# KiCad board panel.kicad_pcb (continued)
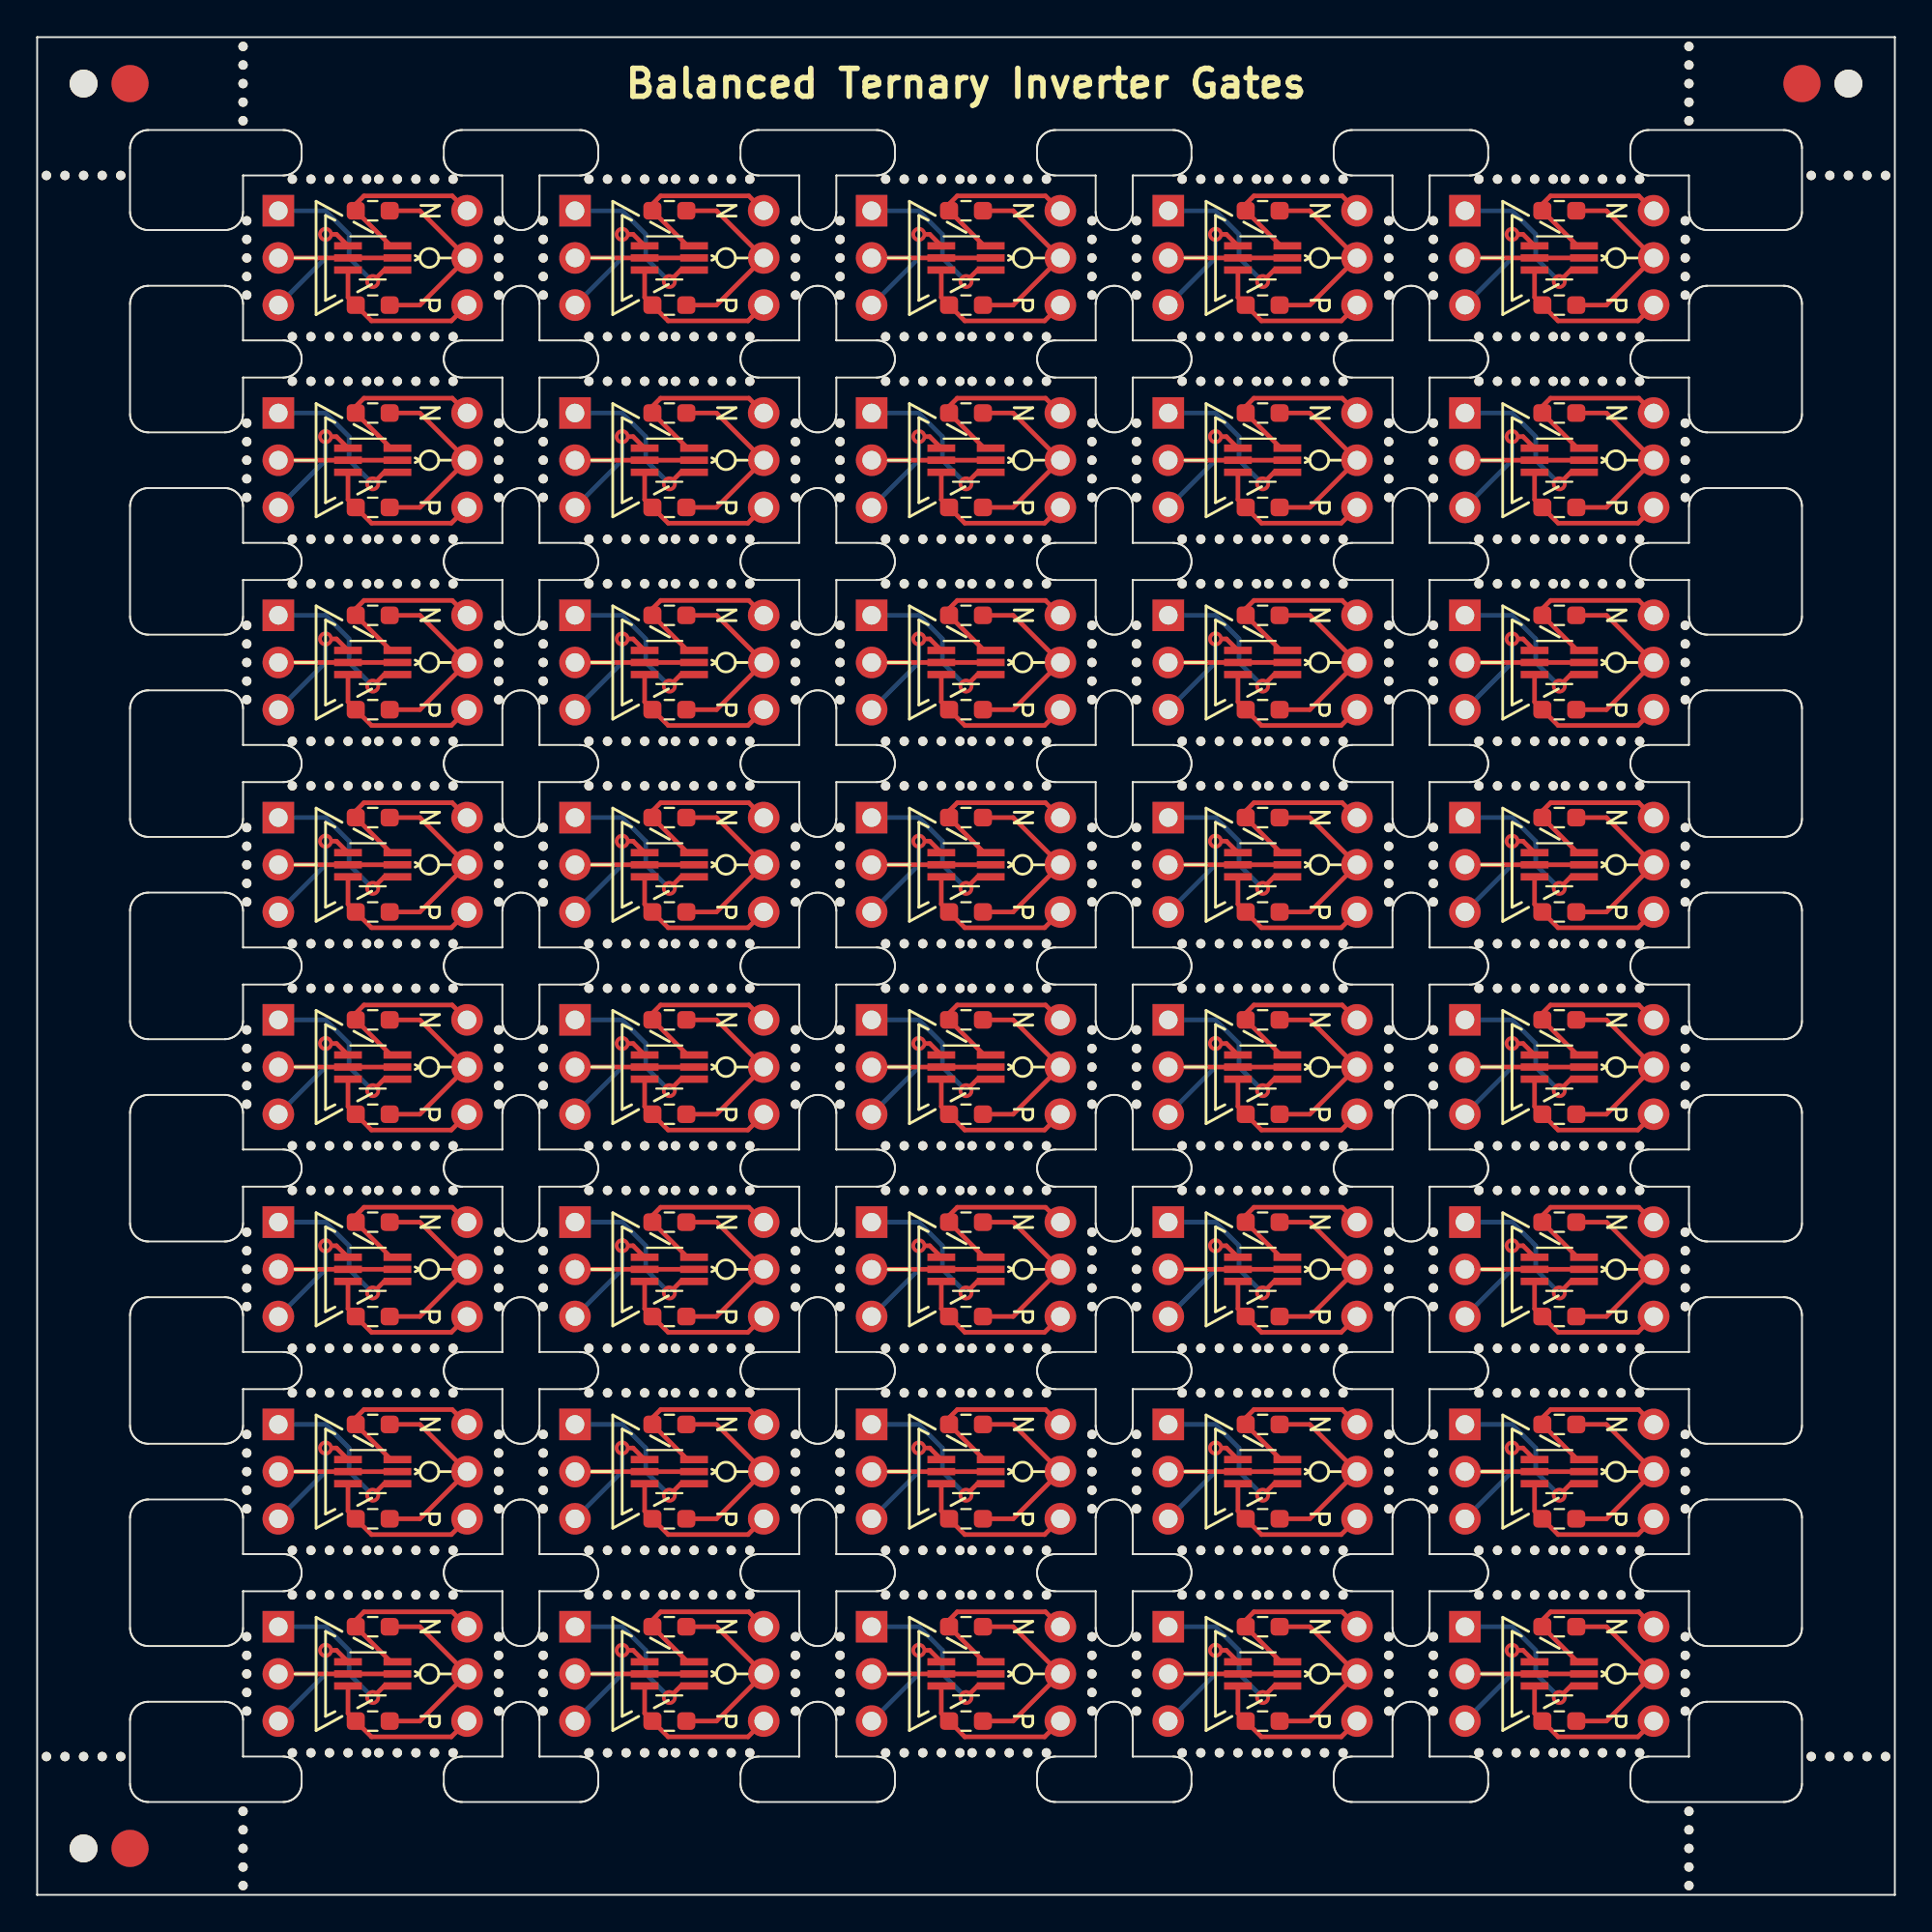
[diagram p0: board, top side]
## Placement (name value [footprint] x y rotation side) (continued)
REF**#50  -  [NPTH]  40.83 68.35 0 top
REF**#51  -  [NPTH]  35.37 83.89 0 top
REF**#52  -  [NPTH]  37.37 81.49 0 top
REF**#53  -  [NPTH]  56.78 23.79 0 top
REF**#54  -  [NPTH]  31.7 37.93 0 top
REF**#55  -  [NPTH]  16.74 18.55 0 top
REF**#56  -  [NPTH]  18.39 16.15 0 top
REF**#57  -  [NPTH]  24.84 44.57 0 top
REF**#58  -  [NPTH]  68.31 70.59 0 top
REF**#59  -  [NPTH]  53.33 37.93 0 top
REF**#60  -  [NPTH]  48.68 29.43 0 top
REF**#61  -  [NPTH]  20.39 62.11 0 top
REF**#62  -  [NPTH]  40.83 78.24 0 top
REF**#63  -  [NPTH]  18.39 37.93 0 top
REF**#64  -  [NPTH]  48.68 70.59 0 top
REF**#65  -  [NPTH]  24.84 35.68 0 top
REF**#66  -  [NPTH]  14.74 70.59 0 top
REF**#67  -  [NPTH]  13.74 18.55 0 top
REF**#68  -  [NPTH]  40.83 45.57 0 top
REF**#69  -  [NPTH]  17.74 59.71 0 top
REF**#70  -  [NPTH]  72.77 13.9 0 top
REF**#71  -  [NPTH]  27.24 66.35 0 top
REF**#72  -  [NPTH]  86.27 83.89 0 top
REF**#73  -  [NPTH]  24.84 9.9 0 top
REF**#74  -  [NPTH]  11.29 32.68 0 top
REF**#75  -  [NPTH]  88.72 55.46 0 top
REF**#76  -  [NPTH]  82.27 72.99 0 top
REF**#77  -  [NPTH]  24.84 75.24 0 top
REF**#78  -  [NPTH]  75.17 67.35 0 top
REF**#79  -  [NPTH]  69.31 37.93 0 top
REF**#80  -  [NPTH]  88.72 13.9 0 top
REF**#81  -  [NPTH]  40.83 75.24 0 top
REF**#82  -  [NPTH]  83.27 18.55 0 top
REF**#83  -  [NPTH]  2.5 7.45 0 top
REF**#84  -  [NPTH]  84.27 18.55 0 top
REF**#85  -  [NPTH]  43.23 57.46 0 top
REF**#86  -  [NPTH]  88.72 34.68 0 top
REF**#87  -  [NPTH]  15.74 83.89 0 top
REF**#88  -  [NPTH]  75.17 56.46 0 top
REF**#89  -  [NPTH]  22.39 29.43 0 top
REF**#90  -  [NPTH]  32.7 29.43 0 top
REF**#91  -  [NPTH]  78.62 83.89 0 top
REF**#92  -  [NPTH]  88.72 12.9 0 top
REF**#93  -  [NPTH]  3.5 92.57 0 top
REF**#94  -  [NPTH]  50.33 48.81 0 top
REF**#95  -  [NPTH]  36.37 27.03 0 top
REF**#96  -  [NPTH]  50.33 16.15 0 top
REF**#97  -  [NPTH]  43.23 55.46 0 top
REF**#98  -  [NPTH]  32.7 48.81 0 top
REF**#99  -  [NPTH]  48.68 37.93 0 top
REF**#100  -  [NPTH]  14.74 16.15 0 top
REF**#101  -  [NPTH]  24.84 54.46 0 top
REF**#102  -  [NPTH]  51.33 18.55 0 top
REF**#103  -  [NPTH]  86.27 59.71 0 top
REF**#104  -  [NPTH]  13.74 16.15 0 top
REF**#105  -  [NPTH]  27.24 57.46 0 top
REF**#106  -  [NPTH]  68.31 29.43 0 top
REF**#107  -  [NPTH]  43.23 54.46 0 top
REF**#108  -  [NPTH]  64.64 70.59 0 top
REF**#109  -  [NPTH]  15.74 29.43 0 top
REF**#110  -  [NPTH]  27.24 87.13 0 top
REF**#111  -  [NPTH]  11.29 20.79 0 top
REF**#112  -  [NPTH]  21.39 48.81 0 top
REF**#113  -  [NPTH]  81.62 27.03 0 top
REF**#114  -  [NPTH]  81.62 18.55 0 top
REF**#115  -  [NPTH]  24.84 43.57 0 top
REF**#116  -  [NPTH]  75.17 42.57 0 top
REF**#117  -  [NPTH]  11.29 42.57 0 top
REF**#118  -  [NPTH]  14.74 83.89 0 top
REF**#119  -  [NPTH]  56.78 68.35 0 top
REF**#120  -  [NPTH]  59.19 22.79 0 top
REF**#121  -  [NPTH]  61.64 37.93 0 top
REF**#122  -  [NPTH]  85.27 81.49 0 top
REF**#123  -  [NPTH]  33.7 7.65 0 top
REF**#124  -  [NPTH]  54.33 29.43 0 top
REF**#125  -  [NPTH]  27.24 42.57 0 top
REF**#126  -  [NPTH]  56.78 43.57 0 top
REF**#127  -  [NPTH]  64.64 40.33 0 top
REF**#128  -  [NPTH]  66.31 7.65 0 top
REF**#129  -  [NPTH]  48.68 27.03 0 top
REF**#130  -  [NPTH]  56.78 67.35 0 top
REF**#131  -  [NPTH]  61.64 16.15 0 top
REF**#132  -  [NPTH]  40.83 65.35 0 top
REF**#133  -  [NPTH]  38.37 72.99 0 top
REF**#134  -  [NPTH]  59.19 87.13 0 top
REF**#135  -  [NPTH]  52.33 83.89 0 top
REF**#136  -  [NPTH]  24.84 34.68 0 top
REF**#137  -  [NPTH]  72.77 34.68 0 top
REF**#138  -  [NPTH]  0.5 7.45 0 top
REF**#139  -  [NPTH]  72.77 76.24 0 top
REF**#140  -  [NPTH]  46.68 62.11 0 top
REF**#141  -  [NPTH]  24.84 77.24 0 top
REF**#142  -  [NPTH]  56.78 12.9 0 top
REF**#143  -  [NPTH]  11.29 79.24 0 top
REF**#144  -  [NPTH]  68.31 83.89 0 top
REF**#145  -  [NPTH]  56.78 87.13 0 top
REF**#146  -  [NPTH]  56.78 77.24 0 top
REF**#147  -  [NPTH]  63.64 62.11 0 top
REF**#148  -  [NPTH]  84.27 37.93 0 top
REF**#149  -  [NPTH]  13.74 51.21 0 top
REF**#150  -  [NPTH]  31.7 29.43 0 top
REF**#151  -  [NPTH]  47.68 62.11 0 top
REF**#152  -  [NPTH]  51.33 83.89 0 top
REF**#153  -  [NPTH]  59.19 10.9 0 top
REF**#154  -  [NPTH]  22.39 27.03 0 top
REF**#155  -  [NPTH]  20.39 83.89 0 top
REF**#156  -  [NPTH]  75.17 11.9 0 top
REF**#157  -  [NPTH]  64.64 59.71 0 top
REF**#158  -  [NPTH]  31.7 27.03 0 top
REF**#159  -  [NPTH]  11.29 90.13 0 top
REF**#160  -  [NPTH]  45.68 81.49 0 top
REF**#161  -  [NPTH]  22.39 7.65 0 top
REF**#162  -  [NPTH]  22.39 16.15 0 top
REF**#163  -  [NPTH]  40.83 10.9 0 top
REF**#164  -  [NPTH]  79.62 29.43 0 top
REF**#165  -  [NPTH]  69.31 48.81 0 top
REF**#166  -  [NPTH]  48.68 40.33 0 top
REF**#167  -  [NPTH]  82.27 81.49 0 top
REF**#168  -  [NPTH]  43.23 90.13 0 top
REF**#169  -  [NPTH]  53.33 16.15 0 top
REF**#170  -  [NPTH]  75.17 31.68 0 top
REF**#171  -  [NPTH]  35.37 29.43 0 top
REF**#172  -  [NPTH]  56.78 78.24 0 top
REF**#173  -  [NPTH]  30.7 51.21 0 top
REF**#174  -  [NPTH]  69.31 70.59 0 top
REF**#175  -  [NPTH]  16.74 37.93 0 top
REF**#176  -  [NPTH]  24.84 79.24 0 top
REF**#177  -  [NPTH]  43.23 24.79 0 top
REF**#178  -  [NPTH]  72.77 35.68 0 top
REF**#179  -  [NPTH]  84.27 16.15 0 top
REF**#180  -  [NPTH]  29.7 62.11 0 top
REF**#181  -  [NPTH]  56.78 55.46 0 top
REF**#182  -  [NPTH]  88.92 1.5 0 top
REF**#183  -  [NPTH]  37.37 16.15 0 top
REF**#184  -  [NPTH]  43.23 86.13 0 top
REF**#185  -  [NPTH]  86.27 70.59 0 top
REF**#186  -  [NPTH]  40.83 53.46 0 top
REF**#187  -  [NPTH]  59.19 34.68 0 top
REF**#188  -  [NPTH]  85.27 83.89 0 top
REF**#189  -  [NPTH]  22.39 92.37 0 top
REF**#190  -  [NPTH]  50.33 51.21 0 top
REF**#191  -  [NPTH]  13.74 27.03 0 top
REF**#192  -  [NPTH]  72.77 78.24 0 top
REF**#193  -  [NPTH]  77.62 70.59 0 top
REF**#194  -  [NPTH]  40.83 21.79 0 top
REF**#195  -  [NPTH]  64.64 7.65 0 top
REF**#196  -  [NPTH]  34.37 29.43 0 top
REF**#197  -  [NPTH]  69.31 59.71 0 top
REF**#198  -  [NPTH]  75.17 46.57 0 top
REF**#199  -  [NPTH]  75.17 53.46 0 top
REF**#200  -  [NPTH]  17.74 7.65 0 top
REF**#201  -  [NPTH]  47.68 72.99 0 top
REF**#202  -  [NPTH]  32.7 70.59 0 top
REF**#203  -  [NPTH]  72.77 77.24 0 top
REF**#204  -  [NPTH]  46.68 37.93 0 top
REF**#205  -  [NPTH]  59.19 86.13 0 top
REF**#206  -  [NPTH]  20.39 72.99 0 top
REF**#207  -  [NPTH]  24.84 90.13 0 top
REF**#208  -  [NPTH]  18.39 70.59 0 top
REF**#209  -  [NPTH]  40.83 76.24 0 top
REF**#210  -  [NPTH]  36.37 92.37 0 top
REF**#211  -  [NPTH]  75.17 20.79 0 top
REF**#212  -  [NPTH]  20.39 7.65 0 top
REF**#213  -  [NPTH]  70.31 59.71 0 top
REF**#214  -  [NPTH]  79.62 59.71 0 top
REF**#215  -  [NPTH]  72.77 9.9 0 top
REF**#216  -  [NPTH]  78.62 72.99 0 top
REF**#217  -  [NPTH]  33.7 48.81 0 top
REF**#218  -  [NPTH]  51.33 70.59 0 top
REF**#219  -  [NPTH]  43.23 87.13 0 top
REF**#220  -  [NPTH]  43.23 20.79 0 top
REF**#221  -  [NPTH]  52.33 40.33 0 top
REF**#222  -  [NPTH]  11.29 45.57 0 top
REF**#223  -  [NPTH]  24.84 33.68 0 top
REF**#224  -  [NPTH]  64.64 72.99 0 top
REF**#225  -  [NPTH]  18.39 59.71 0 top
REF**#226  -  [NPTH]  30.7 16.15 0 top
REF**#227  -  [NPTH]  27.24 45.57 0 top
REF**#228  -  [NPTH]  43.23 9.9 0 top
REF**#229  -  [NPTH]  19.39 83.89 0 top
REF**#230  -  [NPTH]  70.31 92.37 0 top
REF**#231  -  [NPTH]  80.62 29.43 0 top
REF**#232  -  [NPTH]  77.62 7.65 0 top
REF**#233  -  [NPTH]  67.31 72.99 0 top
REF**#234  -  [NPTH]  17.74 48.81 0 top
REF**#235  -  [NPTH]  72.77 75.24 0 top
REF**#236  -  [NPTH]  88.72 79.24 0 top
REF**#237  -  [NPTH]  40.83 9.9 0 top
REF**#238  -  [NPTH]  67.31 62.11 0 top
REF**#239  -  [NPTH]  29.7 18.55 0 top
REF**#240  -  [NPTH]  18.39 72.99 0 top
REF**#241  -  [NPTH]  77.62 62.11 0 top
REF**#242  -  [NPTH]  22.39 81.49 0 top
REF**#243  -  [NPTH]  11.29 89.13 0 top
REF**#244  -  [NPTH]  82.27 37.93 0 top
REF**#245  -  [NPTH]  75.17 22.79 0 top
REF**#246  -  [NPTH]  56.78 44.57 0 top
REF**#247  -  [NPTH]  66.31 18.55 0 top
REF**#248  -  [NPTH]  84.27 40.33 0 top
REF**#249  -  [NPTH]  78.62 40.33 0 top
REF**#250  -  [NPTH]  17.74 37.93 0 top
REF**#251  -  [NPTH]  35.37 62.11 0 top
REF**#252  -  [NPTH]  72.77 44.57 0 top
REF**#253  -  [NPTH]  70.31 16.15 0 top
REF**#254  -  [NPTH]  59.19 43.57 0 top
REF**#255  -  [NPTH]  31.7 92.37 0 top
REF**#256  -  [NPTH]  47.68 18.55 0 top
REF**#257  -  [NPTH]  30.7 40.33 0 top
REF**#258  -  [NPTH]  56.78 65.35 0 top
REF**#259  -  [NPTH]  18.39 29.43 0 top
REF**#260  -  [NPTH]  22.39 48.81 0 top
REF**#261  -  [NPTH]  75.17 34.68 0 top
REF**#262  -  [NPTH]  11.29 10.9 0 top
REF**#263  -  [NPTH]  79.62 70.59 0 top
REF**#264  -  [NPTH]  29.7 37.93 0 top
REF**#265  -  [NPTH]  88.72 54.46 0 top
REF**#266  -  [NPTH]  63.64 16.15 0 top
REF**#267  -  [NPTH]  14.74 29.43 0 top
REF**#268  -  [NPTH]  43.23 56.46 0 top
REF**#269  -  [NPTH]  48.68 16.15 0 top
REF**#270  -  [NPTH]  70.31 7.65 0 top
REF**#271  -  [NPTH]  51.33 51.21 0 top
REF**#272  -  [NPTH]  19.39 27.03 0 top
REF**#273  -  [NPTH]  30.7 72.99 0 top
REF**#274  -  [NPTH]  21.39 37.93 0 top
REF**#275  -  [NPTH]  49.68 72.99 0 top
REF**#276  -  [NPTH]  84.27 72.99 0 top
REF**#277  -  [NPTH]  45.68 37.93 0 top
REF**#278  -  [NPTH]  43.23 32.68 0 top
REF**#279  -  [NPTH]  46.68 29.43 0 top
REF**#280  -  [NPTH]  78.62 92.37 0 top
REF**#281  -  [NPTH]  86.27 92.37 0 top
REF**#282  -  [NPTH]  40.83 43.57 0 top
REF**#283  -  [NPTH]  11.29 35.68 0 top
REF**#284  -  [NPTH]  88.72 78.24 0 top
REF**#285  -  [NPTH]  72.77 46.57 0 top
REF**#286  -  [NPTH]  22.39 18.55 0 top
REF**#287  -  [NPTH]  11.29 13.9 0 top
REF**#288  -  [NPTH]  0.5 92.57 0 top
REF**#289  -  [NPTH]  70.31 70.59 0 top
REF**#290  -  [NPTH]  20.39 81.49 0 top
REF**#291  -  [NPTH]  82.27 70.59 0 top
REF**#292  -  [NPTH]  65.64 81.49 0 top
REF**#293  -  [NPTH]  43.23 75.24 0 top
REF**#294  -  [NPTH]  68.31 72.99 0 top
REF**#295  -  [NPTH]  20.39 59.71 0 top
REF**#296  -  [NPTH]  81.62 70.59 0 top
REF**#297  -  [NPTH]  88.72 10.9 0 top
REF**#298  -  [NPTH]  24.84 89.13 0 top
REF**#299  -  [NPTH]  54.33 18.55 0 top
REF**#300  -  [NPTH]  85.27 51.21 0 top
REF**#301  -  [NPTH]  59.19 55.46 0 top
REF**#302  -  [NPTH]  29.7 16.15 0 top
REF**#303  -  [NPTH]  15.74 51.21 0 top
REF**#304  -  [NPTH]  21.39 72.99 0 top
REF**#305  -  [NPTH]  33.7 70.59 0 top
REF**#306  -  [NPTH]  43.23 45.57 0 top
REF**#307  -  [NPTH]  50.33 40.33 0 top
REF**#308  -  [NPTH]  95.51 92.57 0 top
REF**#309  -  [NPTH]  45.68 29.43 0 top
REF**#310  -  [NPTH]  62.64 83.89 0 top
REF**#311  -  [NPTH]  27.24 20.79 0 top
REF**#312  -  [NPTH]  37.37 40.33 0 top
REF**#313  -  [NPTH]  49.68 70.59 0 top
REF**#314  -  [NPTH]  64.64 83.89 0 top
REF**#315  -  [NPTH]  43.23 88.13 0 top
REF**#316  -  [NPTH]  83.27 16.15 0 top
REF**#317  -  [NPTH#2]  2.5 2.5 0 top
REF**#318  -  [NPTH]  66.31 59.71 0 top
REF**#319  -  [NPTH]  17.74 27.03 0 top
REF**#320  -  [NPTH]  75.17 23.79 0 top
REF**#321  -  [NPTH]  40.83 54.46 0 top
REF**#322  -  [NPTH]  51.33 16.15 0 top
REF**#323  -  [NPTH]  47.68 70.59 0 top
REF**#324  -  [NPTH]  21.39 7.65 0 top
REF**#325  -  [NPTH]  11.29 87.13 0 top
REF**#326  -  [NPTH]  22.39 37.93 0 top
REF**#327  -  [NPTH]  88.92 3.5 0 top
REF**#328  -  [NPTH]  43.23 78.24 0 top
REF**#329  -  [NPTH]  49.68 92.37 0 top
REF**#330  -  [NPTH]  59.19 42.57 0 top
REF**#331  -  [NPTH]  32.7 37.93 0 top
REF**#332  -  [NPTH]  36.37 62.11 0 top
REF**#333  -  [NPTH]  43.23 22.79 0 top
REF**#334  -  [NPTH]  43.23 53.46 0 top
REF**#335  -  [NPTH]  56.78 88.13 0 top
REF**#336  -  [NPTH]  56.78 56.46 0 top
REF**#337  -  [NPTH]  14.74 48.81 0 top
REF**#338  -  [NPTH]  19.39 70.59 0 top
REF**#339  -  [NPTH]  40.83 88.13 0 top
REF**#340  -  [NPTH]  68.31 59.71 0 top
REF**#341  -  [NPTH]  72.77 65.35 0 top
REF**#342  -  [NPTH]  31.7 40.33 0 top
REF**#343  -  [NPTH]  54.33 48.81 0 top
REF**#344  -  [NPTH]  50.33 27.03 0 top
REF**#345  -  [NPTH]  24.84 88.13 0 top
REF**#346  -  [NPTH]  59.19 90.13 0 top
REF**#347  -  [NPTH]  29.7 51.21 0 top
REF**#348  -  [NPTH]  21.39 27.03 0 top
REF**#349  -  [NPTH]  30.7 92.37 0 top
REF**#350  -  [NPTH]  37.37 18.55 0 top
REF**#351  -  [NPTH]  27.24 68.35 0 top
REF**#352  -  [NPTH]  1.5 7.45 0 top
REF**#353  -  [NPTH]  75.17 35.68 0 top
REF**#354  -  [NPTH]  88.72 56.46 0 top
REF**#355  -  [NPTH]  69.31 83.89 0 top
REF**#356  -  [NPTH]  48.68 92.37 0 top
REF**#357  -  [NPTH]  99.51 92.57 0 top
REF**#358  -  [NPTH]  20.39 48.81 0 top
REF**#359  -  [NPTH]  27.24 64.35 0 top
REF**#360  -  [NPTH]  47.68 83.89 0 top
REF**#361  -  [NPTH]  85.27 16.15 0 top
REF**#362  -  [NPTH]  85.27 70.59 0 top
REF**#363  -  [NPTH]  16.74 70.59 0 top
REF**#364  -  [NPTH]  77.62 16.15 0 top
REF**#365  -  [NPTH]  68.31 18.55 0 top
REF**#366  -  [NPTH]  59.19 75.24 0 top
REF**#367  -  [NPTH]  22.39 72.99 0 top
REF**#368  -  [NPTH]  27.24 90.13 0 top
REF**#369  -  [NPTH]  31.7 72.99 0 top
REF**#370  -  [NPTH]  59.19 20.79 0 top
REF**#371  -  [NPTH]  15.74 16.15 0 top
REF**#372  -  [NPTH]  75.17 24.79 0 top
REF**#373  -  [NPTH]  45.68 16.15 0 top
REF**#374  -  [NPTH]  47.68 40.33 0 top
REF**#375  -  [NPTH]  52.33 59.71 0 top
REF**#376  -  [NPTH]  54.33 27.03 0 top
REF**#377  -  [NPTH]  31.7 51.21 0 top
REF**#378  -  [NPTH]  14.74 27.03 0 top
REF**#379  -  [NPTH]  24.84 76.24 0 top
REF**#380  -  [NPTH]  56.78 90.13 0 top
REF**#381  -  [NPTH]  38.37 37.93 0 top
REF**#382  -  [NPTH]  43.23 11.9 0 top
REF**#383  -  [NPTH]  37.37 70.59 0 top
REF**#384  -  [NPTH]  51.33 7.65 0 top
REF**#385  -  [NPTH]  38.37 29.43 0 top
REF**#386  -  [NPTH]  38.37 18.55 0 top
REF**#387  -  [NPTH]  61.64 27.03 0 top
REF**#388  -  [NPTH]  68.31 92.37 0 top
REF**#389  -  [NPTH]  85.27 40.33 0 top
REF**#390  -  [NPTH]  11.29 24.79 0 top
REF**#391  -  [NPTH]  69.31 7.65 0 top
REF**#392  -  [NPTH]  30.7 59.71 0 top
REF**#393  -  [NPTH]  13.74 48.81 0 top
REF**#394  -  [NPTH]  17.74 40.33 0 top
REF**#395  -  [NPTH]  18.39 62.11 0 top
REF**#396  -  [NPTH]  72.77 87.13 0 top
REF**#397  -  [NPTH]  77.62 92.37 0 top
REF**#398  -  [NPTH]  67.31 70.59 0 top
REF**#399  -  [NPTH]  46.68 7.65 0 top
REF**#400  -  [NPTH]  61.64 70.59 0 top
REF**#401  -  [NPTH]  27.24 54.46 0 top
REF**#402  -  [NPTH]  78.62 16.15 0 top
REF**#403  -  [NPTH]  54.33 51.21 0 top
REF**#404  -  [NPTH]  24.84 12.9 0 top
REF**#405  -  [NPTH]  88.92 4.5 0 top
REF**#406  -  [NPTH]  19.39 59.71 0 top
REF**#407  -  [NPTH]  62.64 92.37 0 top
REF**#408  -  [NPTH]  45.68 72.99 0 top
REF**#409  -  [NPTH]  72.77 12.9 0 top
REF**#410  -  [NPTH]  88.72 32.68 0 top
REF**#411  -  [NPTH]  54.33 7.65 0 top
REF**#412  -  [NPTH]  80.62 18.55 0 top
REF**#413  -  [NPTH]  38.37 81.49 0 top
REF**#414  -  [NPTH]  36.37 37.93 0 top
REF**#415  -  [NPTH]  65.64 7.65 0 top
REF**#416  -  [NPTH]  81.62 59.71 0 top
REF**#417  -  [NPTH]  43.23 77.24 0 top
REF**#418  -  [NPTH]  88.72 75.24 0 top
REF**#419  -  [NPTH]  81.62 48.81 0 top
REF**#420  -  [NPTH]  29.7 92.37 0 top
REF**#421  -  [NPTH]  24.84 86.13 0 top
REF**#422  -  [NPTH]  30.7 81.49 0 top
REF**#423  -  [NPTH]  83.27 92.37 0 top
REF**#424  -  [NPTH]  62.64 81.49 0 top
REF**#425  -  [NPTH]  33.7 29.43 0 top
REF**#426  -  [NPTH]  16.74 7.65 0 top
REF**#427  -  [NPTH]  17.74 51.21 0 top
REF**#428  -  [NPTH]  29.7 72.99 0 top
REF**#429  -  [NPTH]  72.77 53.46 0 top
REF**#430  -  [NPTH]  27.24 44.57 0 top
REF**#431  -  [NPTH]  27.24 21.79 0 top
REF**#432  -  [NPTH]  43.23 65.35 0 top
REF**#433  -  [NPTH]  59.19 33.68 0 top
REF**#434  -  [NPTH]  75.17 79.24 0 top
REF**#435  -  [NPTH]  88.72 20.79 0 top
REF**#436  -  [NPTH]  40.83 77.24 0 top
REF**#437  -  [NPTH]  59.19 53.46 0 top
REF**#438  -  [NPTH]  83.27 48.81 0 top
REF**#439  -  [NPTH]  11.29 76.24 0 top
REF**#440  -  [NPTH]  51.33 29.43 0 top
REF**#441  -  [NPTH]  81.62 40.33 0 top
REF**#442  -  [NPTH]  88.72 23.79 0 top
REF**#443  -  [NPTH]  40.83 79.24 0 top
REF**#444  -  [NPTH]  78.62 81.49 0 top
REF**#445  -  [NPTH]  30.7 27.03 0 top
REF**#446  -  [NPTH]  65.64 83.89 0 top
REF**#447  -  [NPTH]  11.09 2.5 0 top
REF**#448  -  [NPTH]  37.37 48.81 0 top
REF**#449  -  [NPTH]  19.39 51.21 0 top
REF**#450  -  [NPTH]  54.33 16.15 0 top
REF**#451  -  [NPTH]  13.74 83.89 0 top
REF**#452  -  [NPTH]  17.74 81.49 0 top
REF**#453  -  [NPTH]  36.37 70.59 0 top
REF**#454  -  [NPTH]  53.33 62.11 0 top
REF**#455  -  [NPTH]  72.77 11.9 0 top
REF**#456  -  [NPTH]  27.24 67.35 0 top
REF**#457  -  [NPTH]  15.74 18.55 0 top
REF**#458  -  [NPTH]  16.74 83.89 0 top
REF**#459  -  [NPTH]  66.31 51.21 0 top
REF**#460  -  [NPTH]  43.23 34.68 0 top
REF**#461  -  [NPTH]  79.62 48.81 0 top
REF**#462  -  [NPTH]  29.7 70.59 0 top
REF**#463  -  [NPTH]  83.27 72.99 0 top
REF**#464  -  [NPTH]  77.62 81.49 0 top
REF**#465  -  [NPTH]  68.31 37.93 0 top
REF**#466  -  [NPTH]  40.83 66.35 0 top
REF**#467  -  [NPTH]  13.74 72.99 0 top
REF**#468  -  [NPTH]  30.7 7.65 0 top
REF**#469  -  [NPTH]  13.74 37.93 0 top
REF**#470  -  [NPTH]  83.27 7.65 0 top
REF**#471  -  [NPTH]  86.27 16.15 0 top
REF**#472  -  [NPTH]  85.27 48.81 0 top
REF**#473  -  [NPTH]  96.51 92.57 0 top
REF**#474  -  [NPTH]  33.7 18.55 0 top
REF**#475  -  [NPTH]  86.27 27.03 0 top
REF**#476  -  [NPTH]  17.74 70.59 0 top
REF**#477  -  [NPTH]  84.27 51.21 0 top
REF**#478  -  [NPTH]  67.31 7.65 0 top
REF**#479  -  [NPTH]  65.64 92.37 0 top
REF**#480  -  [NPTH]  53.33 83.89 0 top
REF**#481  -  [NPTH]  11.29 23.79 0 top
REF**#482  -  [NPTH]  68.31 16.15 0 top
REF**#483  -  [NPTH]  24.84 10.9 0 top
REF**#484  -  [NPTH]  56.78 35.68 0 top
REF**#485  -  [NPTH]  36.37 18.55 0 top
REF**#486  -  [NPTH]  54.33 81.49 0 top
REF**#487  -  [NPTH]  35.37 59.71 0 top
REF**#488  -  [NPTH]  19.39 48.81 0 top
REF**#489  -  [NPTH]  56.78 32.68 0 top
REF**#490  -  [NPTH]  63.64 83.89 0 top
REF**#491  -  [NPTH]  32.7 62.11 0 top
REF**#492  -  [NPTH]  27.24 55.46 0 top
REF**#493  -  [NPTH]  33.7 37.93 0 top
REF**#494  -  [NPTH]  52.33 37.93 0 top
REF**#495  -  [NPTH]  49.68 62.11 0 top
REF**#496  -  [NPTH]  19.39 37.93 0 top
REF**#497  -  [NPTH]  11.29 22.79 0 top
REF**#498  -  [NPTH]  40.83 32.68 0 top
REF**#499  -  [NPTH]  86.27 62.11 0 top
REF**#500  -  [NPTH]  33.7 83.89 0 top
REF**#501  -  [NPTH]  11.29 88.13 0 top
REF**#502  -  [NPTH]  21.39 70.59 0 top
REF**#503  -  [NPTH]  69.31 29.43 0 top
REF**#504  -  [NPTH]  77.62 51.21 0 top
REF**#505  -  [NPTH]  38.37 16.15 0 top
REF**#506  -  [NPTH]  43.23 67.35 0 top
REF**#507  -  [NPTH]  24.84 23.79 0 top
REF**#508  -  [NPTH]  18.39 7.65 0 top
REF**#509  -  [NPTH]  50.33 18.55 0 top
REF**#510  -  [NPTH]  13.74 81.49 0 top
REF**#511  -  [NPTH]  11.29 68.35 0 top
REF**#512  -  [NPTH]  52.33 48.81 0 top
REF**#513  -  [NPTH]  61.64 7.65 0 top
REF**#514  -  [NPTH]  75.17 13.9 0 top
REF**#515  -  [NPTH]  69.31 40.33 0 top
REF**#516  -  [NPTH]  85.27 27.03 0 top
REF**#517  -  [NPTH]  72.77 89.13 0 top
REF**#518  -  [NPTH]  24.84 56.46 0 top
REF**#519  -  [NPTH]  34.37 72.99 0 top
REF**#520  -  [NPTH]  46.68 16.15 0 top
REF**#521  -  [NPTH]  35.37 18.55 0 top
REF**#522  -  [NPTH]  11.29 67.35 0 top
REF**#523  -  [NPTH]  11.29 78.24 0 top
REF**#524  -  [NPTH]  81.62 62.11 0 top
REF**#525  -  [NPTH]  43.23 33.68 0 top
REF**#526  -  [NPTH]  22.39 70.59 0 top
REF**#527  -  [NPTH]  49.68 16.15 0 top
REF**#528  -  [NPTH]  69.31 62.11 0 top
REF**#529  -  [NPTH]  66.31 48.81 0 top
REF**#530  -  [NPTH]  40.83 67.35 0 top
REF**#531  -  [NPTH]  33.7 81.49 0 top
REF**#532  -  [NPTH]  27.24 35.68 0 top
REF**#533  -  [NPTH]  40.83 86.13 0 top
REF**#534  -  [NPTH]  56.78 46.57 0 top
REF**#535  -  [NPTH]  38.37 92.37 0 top
REF**#536  -  [NPTH]  16.74 59.71 0 top
REF**#537  -  [NPTH]  27.24 46.57 0 top
REF**#538  -  [NPTH]  70.31 62.11 0 top
REF**#539  -  [NPTH]  40.83 31.68 0 top
REF**#540  -  [NPTH]  53.33 29.43 0 top
REF**#541  -  [NPTH]  83.27 51.21 0 top
REF**#542  -  [NPTH]  34.37 37.93 0 top
REF**#543  -  [NPTH]  19.39 92.37 0 top
REF**#544  -  [NPTH]  88.72 76.24 0 top
REF**#545  -  [NPTH]  38.37 7.65 0 top
REF**#546  -  [NPTH]  77.62 29.43 0 top
REF**#547  -  [NPTH]  15.74 48.81 0 top
REF**#548  -  [NPTH]  27.24 22.79 0 top
REF**#549  -  [NPTH]  30.7 37.93 0 top
REF**#550  -  [NPTH]  59.19 31.68 0 top
REF**#551  -  [NPTH]  19.39 62.11 0 top
REF**#552  -  [NPTH]  80.62 51.21 0 top
REF**#553  -  [NPTH]  62.64 48.81 0 top
REF**#554  -  [NPTH]  82.27 83.89 0 top
REF**#555  -  [NPTH]  24.84 53.46 0 top
REF**#556  -  [NPTH]  27.24 88.13 0 top
REF**#557  -  [NPTH]  88.72 22.79 0 top
REF**#558  -  [NPTH]  27.24 12.9 0 top
REF**#559  -  [NPTH]  81.62 83.89 0 top
REF**#560  -  [NPTH]  48.68 7.65 0 top
REF**#561  -  [NPTH]  43.23 21.79 0 top
REF**#562  -  [NPTH]  65.64 37.93 0 top
REF**#563  -  [NPTH]  16.74 40.33 0 top
REF**#564  -  [NPTH]  75.17 65.35 0 top
REF**#565  -  [NPTH]  11.29 11.9 0 top
REF**#566  -  [NPTH]  65.64 18.55 0 top
REF**#567  -  [NPTH]  53.33 48.81 0 top
REF**#568  -  [NPTH]  47.68 27.03 0 top
REF**#569  -  [NPTH]  13.74 70.59 0 top
REF**#570  -  [NPTH]  24.84 78.24 0 top
REF**#571  -  [NPTH]  17.74 18.55 0 top
REF**#572  -  [NPTH]  24.84 55.46 0 top
REF**#573  -  [NPTH]  67.31 37.93 0 top
REF**#574  -  [NPTH]  66.31 16.15 0 top
REF**#575  -  [NPTH]  19.39 16.15 0 top
REF**#576  -  [NPTH]  82.27 16.15 0 top
REF**#577  -  [NPTH]  30.7 70.59 0 top
REF**#578  -  [NPTH]  72.77 67.35 0 top
REF**#579  -  [NPTH]  36.37 81.49 0 top
REF**#580  -  [NPTH]  88.72 53.46 0 top
REF**#581  -  [NPTH]  77.62 72.99 0 top
REF**#582  -  [NPTH]  56.78 64.35 0 top
REF**#583  -  [NPTH]  17.74 29.43 0 top
REF**#584  -  [NPTH]  18.39 18.55 0 top
REF**#585  -  [NPTH]  84.27 48.81 0 top
REF**#586  -  [NPTH]  24.84 21.79 0 top
REF**#587  -  [NPTH]  16.74 81.49 0 top
REF**#588  -  [NPTH]  78.62 18.55 0 top
REF**#589  -  [NPTH]  52.33 81.49 0 top
REF**#590  -  [NPTH]  59.19 54.46 0 top
REF**#591  -  [NPTH]  37.37 51.21 0 top
REF**#592  -  [NPTH]  19.39 72.99 0 top
REF**#593  -  [NPTH]  61.64 62.11 0 top
REF**#594  -  [NPTH]  48.68 48.81 0 top
REF**#595  -  [NPTH]  65.64 51.21 0 top
REF**#596  -  [NPTH]  43.23 76.24 0 top
REF**#597  -  [NPTH]  51.33 59.71 0 top
REF**#598  -  [NPTH]  50.33 62.11 0 top
REF**#599  -  [NPTH]  51.33 81.49 0 top
REF**#600  -  [NPTH]  62.64 72.99 0 top
REF**#601  -  [NPTH]  88.92 97.51 0 top
REF**#602  -  [NPTH]  63.64 7.65 0 top
REF**#603  -  [NPTH]  27.24 24.79 0 top
REF**#604  -  [NPTH]  35.37 27.03 0 top
REF**#605  -  [NPTH]  33.7 92.37 0 top
REF**#606  -  [NPTH]  66.31 27.03 0 top
REF**#607  -  [NPTH]  70.31 51.21 0 top
REF**#608  -  [NPTH]  46.68 70.59 0 top
REF**#609  -  [NPTH]  50.33 29.43 0 top
REF**#610  -  [NPTH]  68.31 62.11 0 top
REF**#611  -  [NPTH]  4.5 7.45 0 top
REF**#612  -  [NPTH]  56.78 53.46 0 top
REF**#613  -  [NPTH]  88.72 24.79 0 top
REF**#614  -  [NPTH]  24.84 42.57 0 top
REF**#615  -  [NPTH]  45.68 62.11 0 top
REF**#616  -  [NPTH]  85.27 18.55 0 top
REF**#617  -  [NPTH]  19.39 40.33 0 top
REF**#618  -  [NPTH]  83.27 27.03 0 top
REF**#619  -  [NPTH]  21.39 29.43 0 top
REF**#620  -  [NPTH]  35.37 81.49 0 top
REF**#621  -  [NPTH]  31.7 83.89 0 top
REF**#622  -  [NPTH]  59.19 11.9 0 top
REF**#623  -  [NPTH]  52.33 27.03 0 top
REF**#624  -  [NPTH]  19.39 29.43 0 top
REF**#625  -  [NPTH]  3.5 7.45 0 top
REF**#626  -  [NPTH]  46.68 48.81 0 top
REF**#627  -  [NPTH]  21.39 16.15 0 top
REF**#628  -  [NPTH]  52.33 72.99 0 top
REF**#629  -  [NPTH]  72.77 20.79 0 top
REF**#630  -  [NPTH]  79.62 40.33 0 top
REF**#631  -  [NPTH]  84.27 7.65 0 top
REF**#632  -  [NPTH]  53.33 18.55 0 top
REF**#633  -  [NPTH]  65.64 62.11 0 top
REF**#634  -  [NPTH]  13.74 62.11 0 top
REF**#635  -  [NPTH]  53.33 51.21 0 top
REF**#636  -  [NPTH]  59.19 57.46 0 top
REF**#637  -  [NPTH]  56.78 10.9 0 top
REF**#638  -  [NPTH]  62.64 18.55 0 top
REF**#639  -  [NPTH]  65.64 59.71 0 top
REF**#640  -  [NPTH]  53.33 70.59 0 top
REF**#641  -  [NPTH]  30.7 29.43 0 top
REF**#642  -  [NPTH]  81.62 29.43 0 top
REF**#643  -  [NPTH]  16.74 27.03 0 top
REF**#644  -  [NPTH]  88.72 42.57 0 top
REF**#645  -  [NPTH]  56.78 42.57 0 top
REF**#646  -  [NPTH]  22.39 51.21 0 top
REF**#647  -  [NPTH]  17.74 62.11 0 top
REF**#648  -  [NPTH]  30.7 62.11 0 top
REF**#649  -  [NPTH]  24.84 65.35 0 top
REF**#650  -  [NPTH]  46.68 81.49 0 top
REF**#651  -  [NPTH]  20.39 51.21 0 top
REF**#652  -  [NPTH]  24.84 31.68 0 top
REF**#653  -  [NPTH]  45.68 92.37 0 top
REF**#654  -  [NPTH]  70.31 40.33 0 top
REF**#655  -  [NPTH]  54.33 40.33 0 top
REF**#656  -  [NPTH]  27.24 11.9 0 top
REF**#657  -  [NPTH]  27.24 31.68 0 top
REF**#658  -  [NPTH]  14.74 40.33 0 top
REF**#659  -  [NPTH]  64.64 16.15 0 top
REF**#660  -  [NPTH]  84.27 59.71 0 top
REF**#661  -  [NPTH]  72.77 90.13 0 top
REF**#662  -  [NPTH]  75.17 54.46 0 top
REF**#663  -  [NPTH]  67.31 59.71 0 top
REF**#664  -  [NPTH]  50.33 59.71 0 top
REF**#665  -  [NPTH]  80.62 62.11 0 top
REF**#666  -  [NPTH]  83.27 70.59 0 top
REF**#667  -  [NPTH]  35.37 16.15 0 top
REF**#668  -  [NPTH]  27.24 13.9 0 top
REF**#669  -  [NPTH]  11.09 96.51 0 top
REF**#670  -  [NPTH]  88.72 88.13 0 top
REF**#671  -  [NPTH]  21.39 59.71 0 top
REF**#672  -  [NPTH]  15.74 62.11 0 top
REF**#673  -  [NPTH]  47.68 92.37 0 top
REF**#674  -  [NPTH]  56.78 79.24 0 top
REF**#675  -  [NPTH]  88.72 35.68 0 top
REF**#676  -  [NPTH]  32.7 16.15 0 top
REF**#677  -  [NPTH]  63.64 70.59 0 top
REF**#678  -  [NPTH]  24.84 20.79 0 top
REF**#679  -  [NPTH]  78.62 27.03 0 top
REF**#680  -  [NPTH]  24.84 46.57 0 top
REF**#681  -  [NPTH]  15.74 40.33 0 top
REF**#682  -  [NPTH]  27.24 9.9 0 top
REF**#683  -  [NPTH]  70.31 27.03 0 top
REF**#684  -  [NPTH]  70.31 72.99 0 top
REF**#685  -  [NPTH]  65.64 29.43 0 top
REF**#686  -  [NPTH]  88.72 57.46 0 top
REF**#687  -  [NPTH]  72.77 22.79 0 top
REF**#688  -  [NPTH]  75.17 64.35 0 top
REF**#689  -  [NPTH]  45.68 83.89 0 top
REF**#690  -  [NPTH]  54.33 92.37 0 top
REF**#691  -  [NPTH]  15.74 92.37 0 top
REF**#692  -  [NPTH]  61.64 92.37 0 top
REF**#693  -  [NPTH]  63.64 92.37 0 top
REF**#694  -  [NPTH]  85.27 29.43 0 top
REF**#695  -  [NPTH]  59.19 66.35 0 top
REF**#696  -  [NPTH]  21.39 62.11 0 top
REF**#697  -  [NPTH]  20.39 18.55 0 top
REF**#698  -  [NPTH]  82.27 27.03 0 top
REF**#699  -  [NPTH]  43.23 13.9 0 top
REF**#700  -  [NPTH]  32.7 72.99 0 top
REF**#701  -  [NPTH]  34.37 7.65 0 top
REF**#702  -  [NPTH]  75.17 87.13 0 top
REF**#703  -  [NPTH]  80.62 59.71 0 top
REF**#704  -  [NPTH]  11.29 46.57 0 top
REF**#705  -  [NPTH]  66.31 40.33 0 top
REF**#706  -  [NPTH]  59.19 78.24 0 top
REF**#707  -  [NPTH]  77.62 59.71 0 top
REF**#708  -  [NPTH]  88.72 87.13 0 top
REF**#709  -  [NPTH]  88.92 2.5 0 top
REF**#710  -  [NPTH]  11.29 56.46 0 top
REF**#711  -  [NPTH]  40.83 57.46 0 top
REF**#712  -  [NPTH]  61.64 81.49 0 top
REF**#713  -  [NPTH]  32.7 18.55 0 top
REF**#714  -  [NPTH]  33.7 16.15 0 top
REF**#715  -  [NPTH]  46.68 27.03 0 top
REF**#716  -  [NPTH]  46.68 51.21 0 top
REF**#717  -  [NPTH]  40.83 35.68 0 top
REF**#718  -  [NPTH]  27.24 10.9 0 top
REF**#719  -  [NPTH]  53.33 72.99 0 top
REF**#720  -  [NPTH]  29.7 83.89 0 top
REF**#721  -  [NPTH]  88.72 46.57 0 top
REF**#722  -  [NPTH]  81.62 92.37 0 top
REF**#723  -  [NPTH]  75.17 89.13 0 top
REF**#724  -  [NPTH]  11.29 43.57 0 top
REF**#725  -  [NPTH]  82.27 29.43 0 top
REF**#726  -  [NPTH]  56.78 9.9 0 top
REF**#727  -  [NPTH]  33.7 59.71 0 top
REF**#728  -  [NPTH]  66.31 83.89 0 top
REF**#729  -  [NPTH]  24.84 87.13 0 top
REF**#730  -  [NPTH]  72.77 79.24 0 top
REF**#731  -  [NPTH]  75.17 76.24 0 top
REF**#732  -  [NPTH]  78.62 51.21 0 top
REF**#733  -  [NPTH]  52.33 7.65 0 top
REF**#734  -  [NPTH]  40.83 42.57 0 top
REF**#735  -  [NPTH]  53.33 27.03 0 top
REF**#736  -  [NPTH]  33.7 40.33 0 top
REF**#737  -  [NPTH]  59.19 46.57 0 top
REF**#738  -  [NPTH]  11.09 4.5 0 top
REF**#739  -  [NPTH]  11.09 95.51 0 top
REF**#740  -  [NPTH]  70.31 83.89 0 top
REF**#741  -  [NPTH]  40.83 89.13 0 top
REF**#742  -  [NPTH]  69.31 81.49 0 top
REF**#743  -  [NPTH]  72.77 23.79 0 top
REF**#744  -  [NPTH]  20.39 16.15 0 top
REF**#745  -  [NPTH]  75.17 90.13 0 top
REF**#746  -  [NPTH]  11.29 34.68 0 top
REF**#747  -  [NPTH]  83.27 29.43 0 top
REF**#748  -  [NPTH]  16.74 72.99 0 top
REF**#749  -  [NPTH]  33.7 72.99 0 top
REF**#750  -  [NPTH]  88.72 67.35 0 top
REF**#751  -  [NPTH]  64.64 62.11 0 top
REF**#752  -  [NPTH]  61.64 51.21 0 top
REF**#753  -  [NPTH]  18.39 48.81 0 top
REF**#754  -  [NPTH]  79.62 81.49 0 top
REF**#755  -  [NPTH]  38.37 27.03 0 top
REF**#756  -  [NPTH]  56.78 86.13 0 top
REF**#757  -  [NPTH]  48.68 83.89 0 top
REF**#758  -  [NPTH]  85.27 72.99 0 top
REF**#759  -  [NPTH]  63.64 29.43 0 top
REF**#760  -  [NPTH]  67.31 40.33 0 top
REF**#761  -  [NPTH]  67.31 51.21 0 top
REF**#762  -  [NPTH]  67.31 81.49 0 top
REF**#763  -  [NPTH]  33.7 62.11 0 top
REF**#764  -  [NPTH]  98.51 7.45 0 top
REF**#765  -  [NPTH]  24.84 45.57 0 top
REF**#766  -  [NPTH]  51.33 48.81 0 top
REF**#767  -  [NPTH]  11.29 66.35 0 top
REF**#768  -  [NPTH]  24.84 13.9 0 top
REF**#769  -  [NPTH]  48.68 18.55 0 top
REF**#770  -  [NPTH]  20.39 92.37 0 top
REF**#771  -  [NPTH]  72.77 66.35 0 top
REF**#772  -  [NPTH]  83.27 40.33 0 top
REF**#773  -  [NPTH]  66.31 81.49 0 top
REF**#774  -  [NPTH]  88.72 68.35 0 top
REF**#775  -  [NPTH]  29.7 29.43 0 top
REF**#776  -  [NPTH]  51.33 72.99 0 top
REF**#777  -  [NPTH]  16.74 29.43 0 top
REF**#778  -  [NPTH]  50.33 83.89 0 top
REF**#779  -  [NPTH]  97.51 7.45 0 top
REF**#780  -  [NPTH]  56.78 31.68 0 top
REF**#781  -  [NPTH]  38.37 40.33 0 top
REF**#782  -  [NPTH]  72.77 57.46 0 top
REF**#783  -  [NPTH]  78.62 62.11 0 top
REF**#784  -  [NPTH]  27.24 77.24 0 top
REF**#785  -  [NPTH]  84.27 70.59 0 top
REF**#786  -  [NPTH]  11.29 65.35 0 top
REF**#787  -  [NPTH]  56.78 57.46 0 top
REF**#788  -  [Fiducial]  95.01 97.51 0 top
REF**#789  -  [NPTH]  72.77 10.9 0 top
REF**#790  -  [NPTH]  75.17 10.9 0 top
REF**#791  -  [NPTH]  75.17 57.46 0 top
REF**#792  -  [NPTH]  80.62 27.03 0 top
REF**#793  -  [NPTH]  62.64 37.93 0 top
REF**#794  -  [NPTH]  63.64 37.93 0 top
REF**#795  -  [NPTH]  40.83 56.46 0 top
REF**#796  -  [NPTH]  99.51 7.45 0 top
REF**#797  -  [NPTH]  13.74 59.71 0 top
REF**#798  -  [Fiducial]  5 2.5 0 top
REF**#799  -  [NPTH]  19.39 7.65 0 top
REF**#800  -  [NPTH]  40.83 20.79 0 top
REF**#801  -  [NPTH]  77.62 48.81 0 top
REF**#802  -  [NPTH]  96.51 7.45 0 top
REF**#803  -  [NPTH]  38.37 59.71 0 top
REF**#804  -  [NPTH]  67.31 16.15 0 top
REF**#805  -  [NPTH]  36.37 48.81 0 top
REF**#806  -  [NPTH]  49.68 48.81 0 top
REF**#807  -  [NPTH]  59.19 9.9 0 top
REF**#808  -  [NPTH]  54.33 37.93 0 top
REF**#809  -  [NPTH]  37.37 62.11 0 top
REF**#810  -  [NPTH]  53.33 92.37 0 top
REF**#811  -  [NPTH]  59.19 79.24 0 top
REF**#812  -  [NPTH]  63.64 48.81 0 top
REF**#813  -  [NPTH]  83.27 59.71 0 top
REF**#814  -  [NPTH]  65.64 27.03 0 top
REF**#815  -  [NPTH]  64.64 48.81 0 top
REF**#816  -  [NPTH]  49.68 29.43 0 top
REF**#817  -  [NPTH]  20.39 29.43 0 top
REF**#818  -  [NPTH]  18.39 81.49 0 top
REF**#819  -  [NPTH]  72.77 86.13 0 top
REF**#820  -  [NPTH]  81.62 37.93 0 top
REF**#821  -  [NPTH]  62.64 7.65 0 top
REF**#822  -  [NPTH]  88.92 95.51 0 top
REF**#823  -  [NPTH]  18.39 27.03 0 top
REF**#824  -  [NPTH]  36.37 16.15 0 top
REF**#825  -  [NPTH]  40.83 34.68 0 top
REF**#826  -  [NPTH]  72.77 33.68 0 top
REF**#827  -  [NPTH]  47.68 51.21 0 top
REF**#828  -  [NPTH]  21.39 51.21 0 top
REF**#829  -  [NPTH]  61.64 48.81 0 top
REF**#830  -  [NPTH]  29.7 48.81 0 top
REF**#831  -  [NPTH]  75.17 9.9 0 top
REF**#832  -  [NPTH]  52.33 92.37 0 top
REF**#833  -  [NPTH]  11.29 54.46 0 top
REF**#834  -  [NPTH]  67.31 92.37 0 top
REF**#835  -  [NPTH]  34.37 51.21 0 top
REF**#836  -  [NPTH]  27.24 23.79 0 top
REF**#837  -  [NPTH]  32.7 92.37 0 top
REF**#838  -  [NPTH]  27.24 75.24 0 top
REF**#839  -  [NPTH]  16.74 48.81 0 top
REF**#840  -  [NPTH]  83.27 37.93 0 top
REF**#841  -  [NPTH]  56.78 21.79 0 top
REF**#842  -  [NPTH]  56.78 24.79 0 top
REF**#843  -  [NPTH]  14.74 72.99 0 top
REF**#844  -  [NPTH]  27.24 43.57 0 top
REF**#845  -  [NPTH]  77.62 18.55 0 top
REF**#846  -  [NPTH]  65.64 70.59 0 top
REF**#847  -  [NPTH]  72.77 88.13 0 top
REF**#848  -  [NPTH]  64.64 51.21 0 top
REF**#849  -  [NPTH]  46.68 40.33 0 top
REF**#850  -  [NPTH]  56.78 89.13 0 top
REF**#851  -  [NPTH]  34.37 48.81 0 top
REF**#852  -  [NPTH]  43.23 64.35 0 top
REF**#853  -  [NPTH]  62.64 70.59 0 top
